# KiCad board karabas-pro-revER.kicad_pcb (continued)
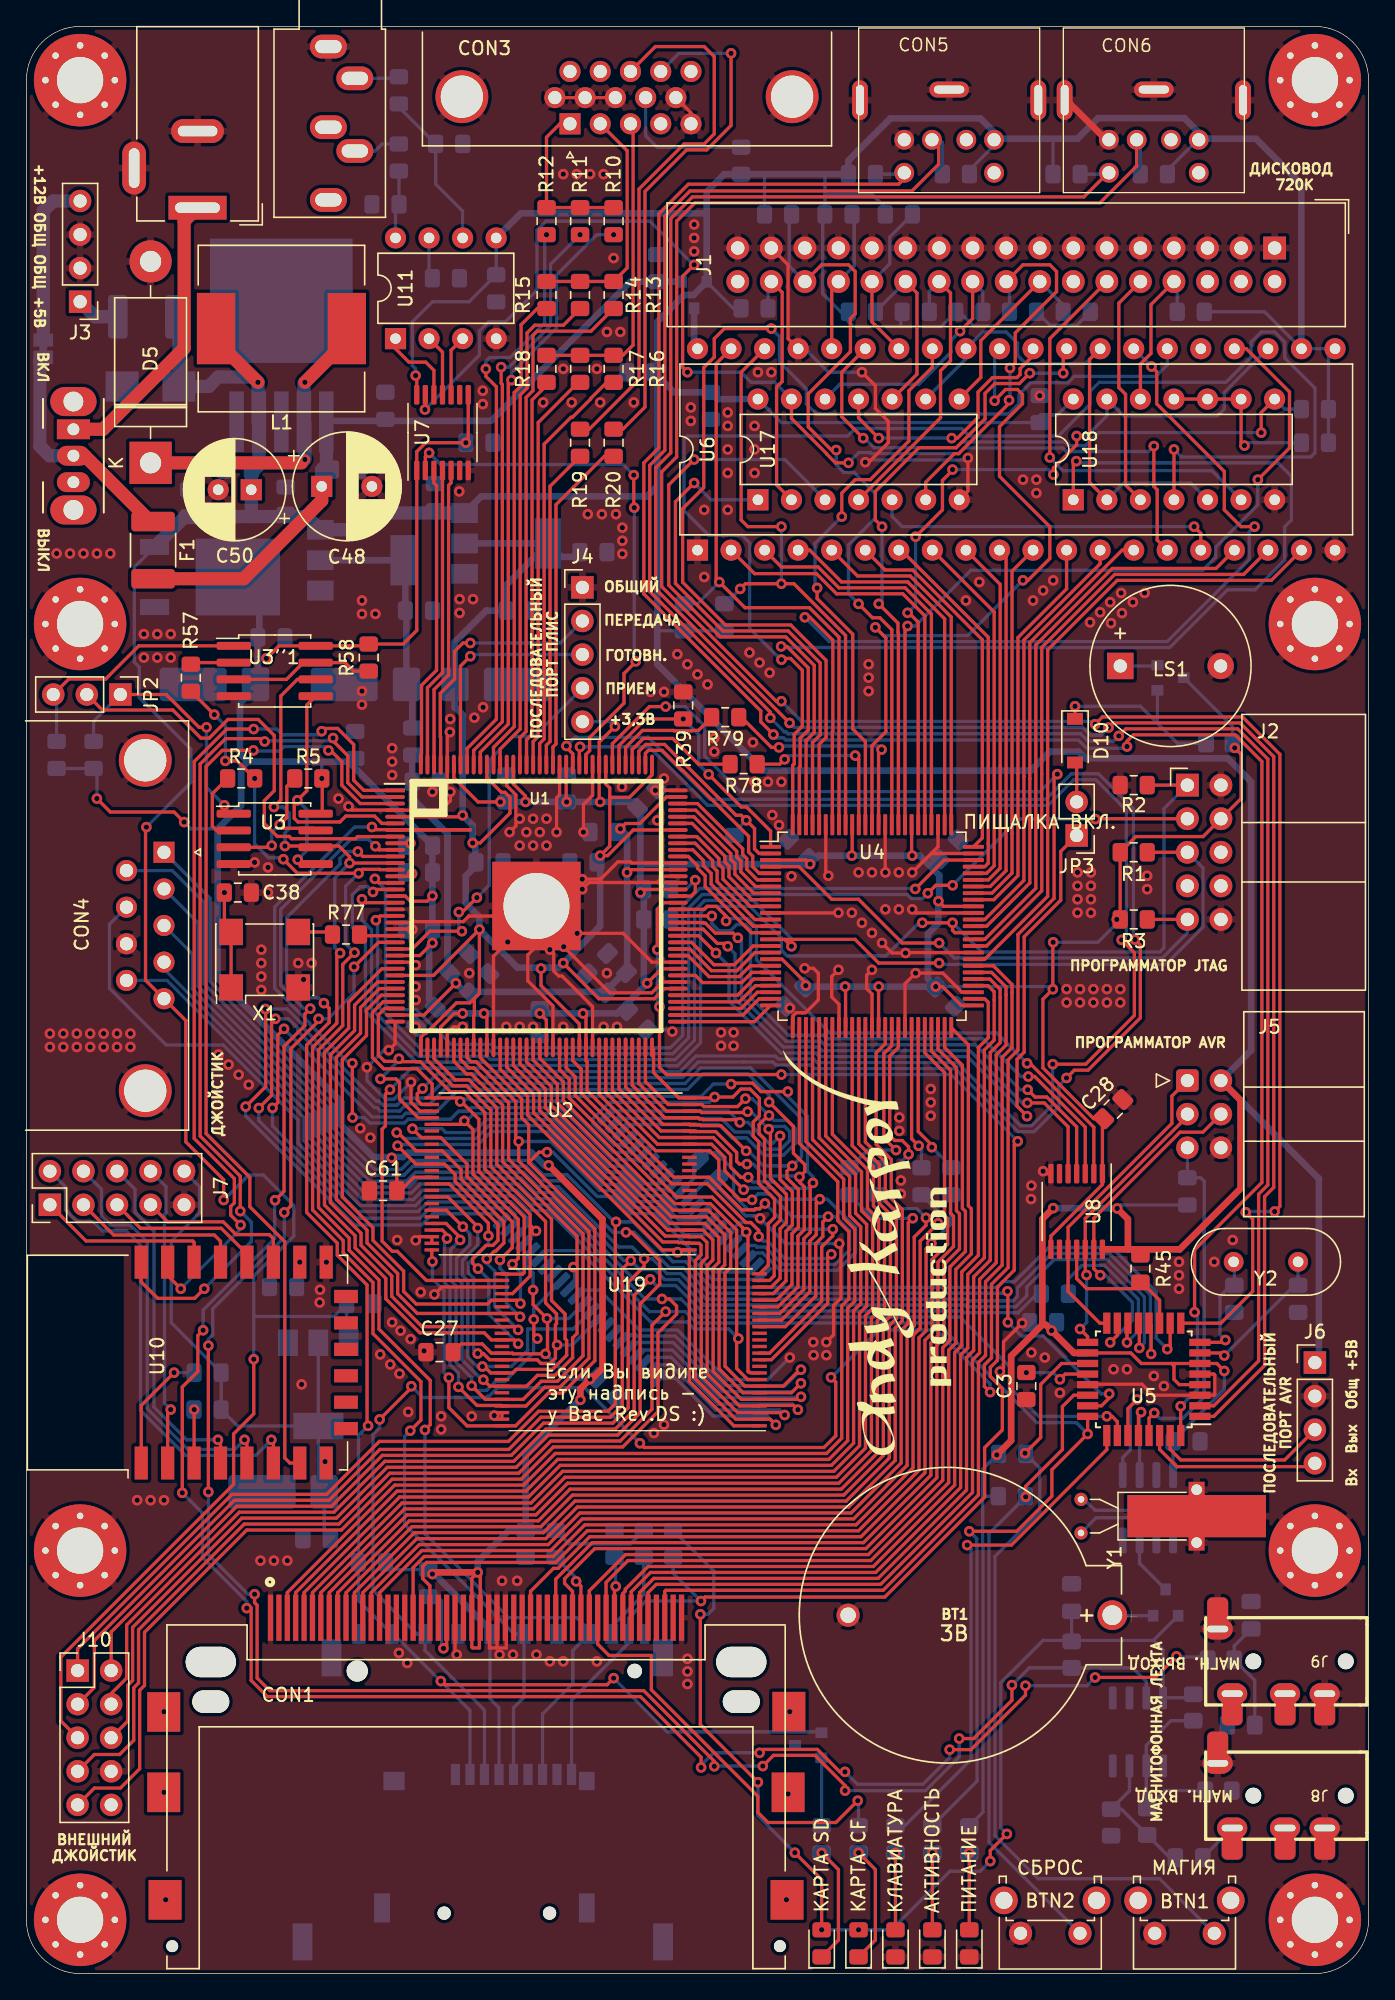
[diagram p0: board, top side]
## Routing (per net, layer and track width the routed paths; a pad name or vN(x,y) marks a point on that pad's centre or on a via; arc(x,y) is an arc through that point) (continued)
VCC: length 647.3
  Top w0.25: U5.18 83.6,46.96 84.4,46.16 86.68,46.16 ; v1(17.21,46.48) 17.21,42.35 15.68,40.83 15.68,37.02 2.6,23.94 2.6,19.11 J10.5 ; v1(14.93,58.53) 14.93,60.06 12.06,62.93 12.06,72.11 CON4.5 9.02,75.15 9.02,86.68 v1(9.08,86.74) ; v1(90.68,45.59) 90.11,46.16 U5.6 86.68,46.16 ; 86.68,46.16 86.87,45.97 86.87,44.96 87.27,44.56 U5.4 ; U7.14 29.55,120.82 v1(29.46,120.9)
  Top w0.5: U5.18 79.3,46.96 v1(77.6,48.65) 77.17,49.09 76.9,49.09 ; U8.14 83.38,54.8 ; 83.38,54.8 83.38,57.08 v1(82.57,57.89) ; 83.38,54.8 87.31,54.8 91.91,59.39 91.91,66.08 J5.2 ; 76.9,49.09 76.9,57.09 v1(77.72,57.91) ; 76.9,49.09 74.54,46.73 74.54,40.33 v1(73.46,39.24)
  Top w1: 14.35,123.57 v1(17.53,120.4)
  Bottom w0.25: R23.2 77.72,138.68 77.86,138.82 ; 72.39,36.22 72.39,38.18 v1(73.46,39.24) ; 72.39,36.22 72.39,32.52 72.41,32.49 72.41,12.22 R56.1 ; 72.39,36.22 72.49,36.12 R47.2 ; 65.01,133.61 64.01,134.62 60.45,134.62 ; 60.28,132.93 60.28,127.1 61.65,125.73 R68.1 62.22,124.98 62.59,124.61 66.19,124.61 ; 55.88,136.14 55.87,136.13 55.87,133.1 ; 47.76,101.59 R43.2 R44.2 ; 17.21,49.72 23.28,49.72 C63.1 24.24,47.89 ; 17.21,49.72 17.21,52.77 20.24,55.8 20.24,58.11 17.93,60.43 16.83,60.43 v1(14.93,58.53) ; 17.21,49.72 v1(17.21,46.48) ; 71.38,136.44 73.76,138.82 ; U18.14 78.05,117.93 76.78,117.93 76.2,117.35 57.15,117.35 U17.14 ; 66.19,124.61 69.23,124.61 R66.1 ; 66.19,124.61 66.19,125.63 ; U9.8 86.8,40.25 ; R64.1 79.5,124.7 77.49,124.7 R65.1 75.39,124.66 71.69,124.66 70.61,125.73 ; R9.2 82.84,58.16 v1(82.57,57.89) ; 60.44,136.14 60.45,136.13 60.45,134.62 ; U11.5 C29.1 33.52,126.49 30.73,126.49 29.21,124.97 29.21,121.67 29.46,121.41 v1(29.46,120.9) ; 60.45,134.62 60.44,134.61 R41.2 ; 86.37,136.44 88.74,138.82 ; C25.1 87.82,41.28 87.82,41.34 90.68,44.2 v1(90.68,45.59) ; R69.1 53.51,125.98 D3.2 ; U12.3 8.16,106.41 8.16,99.22 8.54,98.84 8.54,96.55 12.45,92.65 12.45,90.11 v1(9.08,86.74) ; 77.99,49.03 v1(77.6,48.65) ; R6.1 93.73,125.73 U6.22 U6.21 98.56,122.44 R8.1 R7.1 ; C31.1 76.71,117.86
  Bottom w0.5: 47.75,112.52 46.99,111.76 34.43,111.76 U14.3 ; 47.75,112.52 47.75,124.97 49.78,127 50.5,127 D3.2 51.5,133.16 ; 47.75,112.52 47.75,99.06 55.79,91.02 76.04,91.02 77.47,92.46 79.63,92.46 80.14,91.95 88.65,91.95 88.66,91.94 90.94,91.94 92.71,90.17 92.71,69.85 J5.2 97.84,60.15 97.84,46.53 ; 51.5,133.16 51.47,133.18 37.43,133.18 U11.5 ; 51.5,133.16 51.5,134.81 52.83,136.14 R21.2 62.22,137.18 65.41,140.36 72.22,140.36 73.76,138.82 79.56,138.82 81.13,140.39 87.66,140.39 88.74,139.3 88.74,138.82 93.08,138.82 96.52,135.38 U6.22 ; v1(82.57,57.89) 82.55,57.91 v1(77.72,57.91) ; C14.1 49.02,119.64 C33.1 52.33,119.13 U17.14
  Bottom w1: F2.2 11.55,125.04 D9.1 13.8,120.08 14.52,120.8 17.13,120.8 v1(17.53,120.4) 17.53,117.49 ; 17.02,110.24 C50.1 17.02,113.54 17.6,114.12 U15.4 ; 17.02,110.24 11.99,110.24 U12.3 ; 17.02,110.24 21.25,110.24 U13.3 25.92,109.23 27.19,110.5 U14.3
VCC1_2: length 132.9
  Top w0.25: U1.134 34.86,90.47 35.96,89.37 36.23,89.37 36.6,88.99 36.6,87.8 34.35,85.54 v1(33.78,85.54) ; U1.61 41.86,71.85 38.96,74.75 v1(38.96,76.04) ; U1.45 33.86,72.47 33.91,72.52 33.91,73.79 ; v1(40.64,76.45) 43.34,73.75 47.52,73.75 48.29,74.52 U1.78 ; U1.109 47.36,90.7 45.65,88.99 44.16,88.99 ; U1.37 29.86,70.75 29.88,70.78 29.88,70.87 30.16,71.15 30.25,71.15 32.55,73.44 33.56,73.44 33.91,73.79 ; U1.29 30.82,75.52 v1(34.29,78.99) 34.29,74.17 33.91,73.79 ; 44.16,88.99 44.16,85.31 v1(43.43,84.58) 44,84.58 45.94,86.52 U1.102 ; 44.16,88.99 44.16,89.7 43.86,90 U1.116 ; v1(33.02,87.63) 32.91,87.52 U1.5
  Bottom w0.5: 41.9,107.19 40.49,107.19 U14.2 ; U14.2 U14.2 ; U14.2 36.31,105.05 C20.1 34.81,103.12 32.42,100.74 32.42,95.78 32.45,95.76 32.51,95.76 33.02,95.25 v1(33.02,87.63) 33.78,86.87 v1(33.78,85.54) 33.97,85.35 33.97,83.76 33.25,83.03 33.25,81 34.29,79.96 v1(34.29,78.99) 37.17,76.11 40.3,76.11 43.43,79.25 v1(43.43,84.58)
VCC2_5: length 58.3
  Top w0.25: v1(45.47,83.31) 45.68,83.52 U1.96 ; U1.107 48.44,89.02 46.43,87.01 45.36,87.01 v1(44.96,86.61) ; U1.35 30.1,72.52 v1(32.51,74.93)
  Bottom w0.5: 29.2,92.18 C6.1 29.2,88.91 31.88,86.23 31.88,75.56 v1(32.51,74.93) 33.17,74.28 43.8,74.28 45.47,75.95 45.47,86.11 v1(44.96,86.61)
VCC3_3: length 628.2
  Top w0.25: C28.1 80.79,64.68 76.95,68.52 76.95,73.72 v1(77.7,74.47) 77.7,78 v1(77.72,78.03) ; U1.93 46.72,82.02 v1(46.48,81.79) ; v1(61.04,56.32) 61.04,55.81 60.2,54.98 60.2,50.89 56.26,46.94 U19.12 ; v1(33.02,72.64) 32.39,72.64 31.36,71.62 U1.40 ; U4.91 62.51,84.61 v1(62.48,84.58) ; 28.11,59.03 29.33,60.25 U2.37 ; U4.3 59.02,84.25 v1(59.33,83.94) ; 25.77,100.46 19.11,100.46 v1(18.16,99.5) ; 42.98,45.16 42.79,44.97 v1(42.66,44.97) ; v1(69.04,81.14) 69.43,80.75 U4.66 ; U1.17 28.68,81.52 29.07,81.13 30.33,81.13 v1(30.73,81.53) ; v1(58.17,9.14) 60.2,7.11 v1(60.2,3.31) ; v1(14.99,81.79) 14.99,79.32 ; v1(68.83,74.68) 69.34,74.68 70.77,73.25 U4.51 ; U1.56 39.36,72.15 v1(38.86,72.64) ; v1(35.88,88.65) 34.18,88.65 32.36,90.47 U1.139 ; v1(30.73,77.98) 29.78,77.02 U1.26 ; v1(38.35,51.71) 38.35,50.61 v1(39.4,49.56) 39.45,49.52 39.45,47.04 v1(39.29,46.89) 36.85,46.89 36.8,46.94 U19.37 35.2,46.94 34.5,47.64 32.91,47.64 C27.1 ; v1(11.94,87.12) 11.18,87.88 6.35,87.88 v1(5.33,88.9) ; v1(55.37,14.48) 51.01,18.84 v1(51.01,27.19) ; U1.130 36.86,90.01 37.78,89.09 v1(37.78,88.65) ; 62.01,71.57 62.01,74.64 v1(61.98,74.68) ; v1(55.91,58.27) 55.5,57.87 55.2,57.87 55.11,57.78 54.15,57.78 51.67,60.25 U2.12 49,60.25 42.44,66.81 42.44,68.99 42.36,69.07 U1.62 42.36,72.42 v1(42.13,72.64) ; v1(91.46,92.73) 91.95,92.25 91.95,88.9 J2.4 89.07,86.02 83.98,86.02 R1.2 R3.2 ; 77.55,54.8 77.55,55.8 81.45,59.7 U8.1 81.45,64.59 ; 15.49,79.25 X1.1 ; v1(43.43,88.65) 43.36,88.72 U1.117 43.36,93.17 v1(44.55,94.36) ; v1(64.52,74.68) 64.51,74.67 64.51,71.57 ; v1(40.89,88.65) 40.86,88.68 U1.122 ; v1(74.22,10.56) 72.96,9.31 v1(72.96,8.51) ; v1(27.65,61.72) 28.04,61.33 C61.1 ; U4.82 67.01,84.63 v1(67.06,84.58) ; R58.2 28.52,100.59 29.55,101.62 U7.1 29.55,115.14 30.23,115.82 v1(33.26,115.82) 33.45,116 U7.8 ; U1.81 48.08,76.02 v1(46.99,74.93) ; 22.4,87.76 22.4,90.39 ; 34.29,26.86 34.29,24.64 33.78,24.64 33.72,24.7 CON1.13 33.72,29.91 v1(34.16,30.35) 34.35,30.16 CON1.38 ; U4.18 57.2,76.75 59,74.95 v1(59,74.75) ; U1.47 34.86,72.42 v1(34.63,72.64)
  Top w0.5: v1(30.73,30.23) 30.86,30.35 v1(34.16,30.35) ; v1(41.94,43.41) 41.94,44.25 42.85,45.16 42.98,45.16 43.61,45.79 43.61,57.08 v1(39.54,61.15)
  Bottom w0.25: R75.1 27.74,30.56 R36.2 ; v1(51.01,27.19) 51.58,27.19 52.03,27.64 52.03,30.46 R52.2 R37.1 45.71,32.51 41.08,32.51 40.07,33.53 ; v1(58.17,9.14) 55.37,11.94 v1(55.37,14.48) ; J4.5 44.2,94.72 v1(44.55,94.36) ; v1(5.33,88.9) 5.33,90.92 ; v1(18.16,99.5) 17.59,99.5 17.52,99.58 ; v1(38.35,51.71) 38.35,53.02 37.81,53.56 37.81,54.23 ; U20.11 50.52,60.16 50.52,61.01 51.62,62.1 52.22,62.1 53.54,60.78 53.54,58.88 54.64,57.78 55.11,57.78 55.2,57.87 55.5,57.87 v1(55.91,58.27) 57.86,56.32 v1(61.04,56.32) ; v1(11.94,87.12) 12.45,86.61 14.48,86.61 ; v1(39.4,49.56) 41.06,49.56 U20.33 ; 35.77,14.73 35.77,20.11 35.09,20.79 35.09,25.61 ; v1(42.66,44.97) 41.21,44.97 v1(39.29,46.89) ; v1(72.96,8.51) 72.2,7.75 69.91,7.75 65.48,3.31 v1(62.99,3.31) v1(60.2,3.31) ; 85.33,25.21 D8.1 ; 85.33,25.21 76.96,25.21 73.76,22.01 73.76,11.02 v1(74.22,10.56) ; 85.33,25.21 86.04,24.49 U16.8 88.06,20.86 ; R84.1 C58.1 ; R74.1 C18.1 ; v1(77.72,78.03) 81.1,78.03 82.54,79.46 v1(82.54,79.76) ; v1(22.36,90.42) 22.36,91.69 ; Q2.3 91.3,94.36 R48.2 ; R60.2 R59.2 ; v1(68.83,74.68) 77.5,74.68 v1(77.7,74.47) ; v1(14.99,81.79) 14.48,81.79
  Bottom w0.5: v1(35.88,88.65) v1(37.78,88.65) v1(40.89,88.65) 45.97,88.65 46.48,88.14 46.48,84.07 ; v1(41.94,43.41) 41.88,43.41 37.78,39.31 C18.1 36.53,33.54 34.16,31.17 v1(34.16,30.35) ; 17.52,97.46 C37.1 ; 46.48,84.07 46.62,83.94 v1(59.33,83.94) 59.97,84.58 v1(62.48,84.58) v1(67.06,84.58) 67.62,84.58 68.48,83.72 ; 46.48,84.07 v1(46.48,81.79) 46.74,81.53 46.74,74.93 v1(46.99,74.93) 44.7,72.64 v1(38.86,72.64) 31.55,72.64 30.48,73.71 30.48,77.72 v1(30.73,77.98) v1(30.73,81.53) 30.73,85.34 24.64,91.44 24.64,91.69 16.76,91.69 ; C39.1 68.48,83.72 ; 68.48,83.72 69.11,83.1 69.11,81.21 v1(69.04,81.14) 69.04,79.46 68.24,78.66 68.24,75.27 v1(68.83,74.68) v1(64.52,74.68) v1(61.98,74.68) 59.07,74.68 ; 17.34,97.28 16.17,96.11 16.17,92.29 16.76,91.69 ; 16.76,91.69 16.26,91.19 16.26,88.39 14.48,86.61 14.48,75.3 23.84,65.94 23.84,64.18 26.24,61.78 28.51,61.78 28.83,62.11 38.25,62.11 39.2,61.15 v1(39.54,61.15) ; 17.63,104.65 17.63,101.2 ; 35.17,25.94 30.88,30.23 v1(30.73,30.23)
/ASDO: length 23.6
  Top w0.25: 20.87,83.95 v1(20.54,84.28) ; 21.9,96.65 21.23,95.98 21.23,89.49 v1(20.51,88.77) 20.27,88.53 20.27,87.41 20.55,87.13 23.73,87.13 24.18,87.58 26.35,87.58 26.91,87.02 U1.6
  Bottom w0.25: v1(20.51,88.77) 21.23,88.06 21.23,84.97 v1(20.54,84.28)
/AVR_MISO: length 23.6
  Top w0.25: J5.1 86.71,66.39 86.71,64.32 78.85,56.46 U8.10 78.85,51.61 81.26,49.21 U5.16
/AVR_MOSI: length 26.1
  Top w0.25: J5.4 89.06,63.66 87.32,63.66 80.8,57.14 U8.13 80.8,53.33 v1(81.29,52.84) ; U5.15 82.58,48.29 v1(82.04,47.75)
  Bottom w0.25: v1(81.29,52.84) 81.68,52.84 83.72,50.8 83.72,49.43 v1(82.04,47.75)
/AVR_RX: length 13.1
  Top w0.25: 97.28,38.35 87.09,38.35 85.78,39.66 U5.30
/AVR_SCK: length 20.8
  Top w0.25: v1(80.25,52.86) 80.15,52.95 U8.12 80.15,57.13 87.88,64.86 ; v1(79.76,48.77) 80.33,48.19 U5.17
  Bottom w0.25: v1(79.76,48.77) 80.26,49.28 80.26,52.84 v1(80.25,52.86)
/AVR_TX: length 13.3
  Top w0.25: J6.3 95.25,38.86 87.38,38.86 86.58,39.66 U5.31
/AVR_XT1: length 11.8
  Top w0.25: U5.7 90.48,46.96 v1(90.68,46.76)
  Bottom w0.25: 96.27,52.33 96.27,54.36 ; v1(90.68,46.76) 96.25,52.33
/AVR_XT2: length 9
  Top w0.25: U5.8 90.59,47.76 v1(90.76,47.93)
  Bottom w0.25: 91.44,54.3 91.44,52.33 90.36,51.25 90.36,48.33 v1(90.76,47.93)
/B: length 23.3
  Top w0.25: 46.17,139.51 45.92,139.27 45.92,123.21 45.15,122.44 R16.2 R17.2 R18.2
/BEEPER: length 57.1
  Top w0.25: U1.86 50.89,78.52 v1(52.2,77.22) ; JP3.1 78.3,84.9 78.3,81.22 75.53,78.45 75.53,69.71 74.99,69.17 74.99,65.63 v1(75.74,64.87)
  Bottom w0.25: v1(75.74,64.87) 71.24,69.37 60.05,69.37 59.77,69.65 57.11,69.65 53.19,73.57 53.19,76.23 v1(52.2,77.22)
/BTN1: length 60.4
  Top w0.25: U5.19 78.36,46.16 76.78,44.58 76.78,40.56 v1(75.59,39.37)
  Bottom w0.25: v1(75.59,39.37) 76.71,38.25 76.71,34.95 73.31,31.55 73.31,10.44 76.58,7.18 85.79,7.18 BTN1.1
/BTN2: length 46.7
  Top w0.25: v1(75.64,36.07) 75.64,36.86 78.42,39.64 78.42,42.9 79.28,43.76 U5.22
  Bottom w0.25: BTN2.1 72.86,9.94 72.86,33.29 75.24,35.67
/CLK_50MHZ: length 2.6
  Top w0.25: 25.31,78.52 U1.23
/CONF_DONE: length 4.2
  Top w0.25: U1.92 50.31,81.52 50.63,81.84 v1(50.63,82.73)
  Bottom w0.25: 49.03,82.04 49.94,82.04 v1(50.63,82.73)
/CPLD_CLK: length 8.8
  Top w0.25: U1.113 45.36,92.78 46.63,94.06 49,94.06 49.03,94.02 50.41,94.02 50.44,94.06 50.87,94.06 R79.2
/CPLD_CLK2: length 9.7
  Top w0.25: U1.112 45.86,92.61 46.7,93.45 48.93,93.45 50.87,91.5 R78.2
/D0: length 27.7
  Top w0.25: U4.72 72.55,83.75 72.81,84.01 72.81,85.49 72.81,85.49 72.81,101.11 66.22,107.7
/D1: length 27.6
  Top w0.25: U4.71 72.69,83.25 73.26,83.82 73.26,103.02 U6.8
/D2: length 27.5
  Top w0.25: U4.70 72.82,82.75 73.71,83.63 73.71,86.61 73.71,86.61 73.71,91.34 73.71,91.34 73.71,105.11 U6.9
/D3: length 27.4
  Top w0.25: U4.69 72.96,82.25 74.16,83.45 74.16,86.42 74.16,86.42 74.16,91.15 74.16,91.16 74.16,107.2 U6.10
/D4: length 28.6
  Top w0.25: U4.68 73.09,81.75 74.61,83.26 74.61,86.23 74.61,90.97 74.61,90.97 74.61,106.11 U6.11
/D5: length 30.3
  Top w0.25: U6.12 78.74,104.76 75.06,101.08 75.06,90.78 75.06,90.78 75.06,83.08 73.23,81.25 U4.67
/D6: length 32.4
  Top w0.25: U6.13 81.28,106.67 75.51,100.9 75.51,90.6 75.51,90.6 75.51,82.71 72.55,79.75 U4.64
/D7: length 34.6
  Top w0.25: U6.14 82.95,107.7 75.96,100.71 75.96,90.41 75.96,82.52 72.69,79.25 U4.63
/DATA0: length 109.2
  Top w0.25: U1.13 26.75,83.52 26.72,83.55 25.45,83.55 v1(25.15,83.25) 20.52,83.25 v1(19.45,84.31) ; 12.45,97.02 v1(14.22,95.25) ; v1(30.17,41.13) 30.57,41.53 30.57,44.88 26.69,48.76 26.69,52.47 24.43,54.73 24.43,55.64 22.11,57.96 22.11,69.89 23.94,71.72 23.94,76.36 v1(24.83,77.25) ; v1(17.28,90.42) 15.95,91.75 v1(15.05,91.75)
  Bottom w0.25: v1(19.45,84.31) 19.35,84.42 18.33,84.42 17.28,85.46 v1(17.28,90.42) ; v1(25.15,83.25) 24.16,82.26 24.16,77.92 v1(24.83,77.25) ; v1(30.17,41.13) 30.17,33.26 36.51,26.92 41.66,26.92 42.67,25.91 ; CON2.7 41.36,24.46 41.36,21.93 39.07,19.64 39.07,14.73 ; v1(15.05,91.75) 15.05,94.42 v1(14.22,95.25)
/DCLK: length 104.6
  Top w0.25: v1(23.75,77.21) 23.5,76.96 23.5,71.91 21.66,70.07 21.66,57.77 23.98,55.45 23.98,54.54 26.24,52.29 26.24,48.42 29.86,44.79 29.86,41.88 v1(29.06,41.07) ; U1.12 v1(24.46,84.02) 24.46,84.5 23.65,85.31 19.58,85.31 v1(19.57,85.3) ; 22.4,97.92 20.51,97.92 19.26,96.67 19.26,88.79 v1(18.73,88.27)
  Bottom w0.25: v1(18.73,88.27) 19.43,88.27 19.9,87.79 19.9,86.63 19.57,86.3 v1(19.57,85.3) ; 36.87,14.73 36.87,20.11 37.67,20.91 CON2.5 36.92,25.69 28.63,33.98 28.63,40.64 v1(29.06,41.07) ; v1(23.75,77.21) 23.35,77.61 23.35,82.9 v1(24.46,84.02)
/ESP_ADC: length 22.9
  Top w0.25: U10.2 10.69,42.44 v1(10.92,42.67)
  Bottom w0.25: v1(10.92,42.67) 10.45,43.14 10.45,57.44 10.57,57.56 10.57,59.53 J7.8
/ESP_GPIO0: length 11.4
  Top w0.25: 16.69,54.45 14.75,56.39 8.64,56.39 J7.5
/ESP_GPIO2: length 12.1
  Top w0.25: J7.7 10.69,56.88 14.9,56.88 15.86,55.91 18.38,55.91 18.69,55.6 U10.17
/ESP_GPIO4: length 13.1
  Top w0.25: U10.19 14.69,55.41 14.22,55.88 6.6,55.88 J7.3
/ESP_GPIO5: length 13.6
  Top w0.25: J7.1 4.51,55.43 12.59,55.43 12.69,55.33 U10.20
/ESP_GPIO12: length 36.3
  Top w0.25: v1(18.54,40.39) 18.69,40.24 U10.6
  Bottom w0.25: J7.2 2.95,59.53 2.95,57.79 3.85,56.9 5.08,56.9 5.78,56.19 7.56,56.19 8.64,55.12 8.64,42.61 12.04,39.21 17.37,39.21 v1(18.54,40.39)
/ESP_GPIO14: length 31.6
  Top w0.25: U10.5 16.69,40.2 v1(16.51,40.39)
  Bottom w0.25: v1(16.51,40.39) 15.78,39.66 12.22,39.66 9.14,42.74 9.14,55.37 7.87,56.64 6.35,56.64 5.68,57.31 5.68,59.34 J7.4
/ESP_GPIO16: length 26.7
  Top w0.25: U10.4 14.69,40.19 v1(14.5,40.39)
  Bottom w0.25: J7.6 8.22,59.34 8.22,57.6 9.65,56.17 9.65,42.87 12.13,40.39 v1(14.5,40.39)
/FDC_A0: length 26.9
  Top w0.25: U6.5 62.91,105.74 66.9,105.74 70.01,102.63 U4.76
/FDC_A1: length 27.6
  Top w0.25: U6.6 65,106.19 67.08,106.19 72.36,100.92 72.36,85.92 U4.75
/FDC_CLK: length 60.9
  Top w0.25: v1(66.7,101.96) 66.51,101.76 U4.83 ; v1(93.22,113.03) 95.61,115.43 95.61,119.67 92.34,122.94 U6.24
  Bottom w0.25: v1(66.7,101.96) 67.27,101.96 71.48,106.17 89.04,106.17 90.03,107.16 90.03,107.92 93.22,111.11 v1(93.22,113.03)
/FDC_DIR: length 26.4
  Top w0.25: v1(88.39,109.47) 88.9,108.97 U6.16
  Bottom w0.25: v1(88.39,109.47) 66.29,109.47 65.53,110.24 U17.5
/FDC_DRQ: length 46.9
  Top w0.25: U4.92 62.01,101.25 58.1,105.16 v1(57.15,105.16) 54.42,105.16 v1(54.03,104.76) ; v1(57.15,109.47) 54.61,109.47 54.1,109.98 54.1,121.16 U6.38
  Bottom w0.25: v1(57.15,109.47) v1(57.15,105.16) ; 52.91,103.64 v1(54.03,104.76)
/FDC_DS0: length 82.1
  Top w0.25: U18.1 79.25,114.2 v1(79.48,114.43) ; U4.99 58.51,91.27 58.57,91.34 58.57,93.47 59.18,94.08 59.18,98.79 57.57,100.41 v1(57.13,100.41)
  Bottom w0.25: v1(57.13,100.41) 57.21,100.33 86.55,100.33 90.92,104.7 93.02,104.7 95.25,106.93 95.25,109.47 95.76,109.98 95.76,113.28 94.74,114.3 79.61,114.3 v1(79.48,114.43)
/FDC_DS1: length 110.2
  Top w0.25: U4.100 58.01,91.41 58.12,91.52 58.12,93.76 58.73,94.37 58.73,98.61 57.84,99.5 57.25,99.5 v1(57.16,99.41) ; v1(86.87,115.32) U18.4
  Bottom w0.25: v1(86.87,115.32) 87.43,114.75 97.22,114.75 97.54,115.06 97.54,119.97 95.25,122.25 95.25,123.44 94.49,124.21 93.47,124.21 92.71,123.44 92.71,122.3 90.8,120.4 81.21,120.4 80.52,119.7 80.52,118.73 78.12,116.33 71.37,116.33 70.81,116.9 62.74,116.9 62.17,116.33 50.04,116.33 49.78,116.08 49.78,110.69 51.65,108.82 54.17,108.82 54.75,108.24 54.75,101.76 56.83,99.69 56.88,99.69 v1(57.16,99.41)
/FDC_HLT: length 59.9
  Top w0.25: v1(67.31,108.71) 69.34,110.74 69.34,112.97 70.1,113.74 v1(70.1,113.79) ; U4.81 67.51,102.24 66.8,102.96 v1(66.7,102.96) ; v1(79.5,116.33) 79.5,115.67 77.74,113.91 v1(77.74,113.41)
  Bottom w0.25: U6.23 90.68,119.63 90.68,118.36 90.17,117.86 83.06,117.86 U18.13 81.79,117.86 80.26,116.33 v1(79.5,116.33) ; v1(67.31,108.71) 67.31,103.56 v1(66.7,102.96) ; v1(70.1,113.79) 77.36,113.79 v1(77.74,113.41)
/FDC_INTRQ: length 46.5
  Top w0.25: U6.39 52.21,121.81 52.21,105.52 v1(52.45,105.28) 54.39,103.34 59.28,103.34 61.51,101.11 U4.93
  Bottom w0.25: R43.1 50.81,103.64 v1(52.45,105.28)
/FDC_IP: length 44.6
  Top w0.25: U6.35 61.72,121.16 61.72,117.79 v1(63.34,116.17) ; U18.8 93.47,118.11 v1(93.47,116.59)
  Bottom w0.25: v1(63.34,116.17) 63.44,116.17 64.17,115.45 70.39,115.45 70.82,115.88 78.63,115.88 78.9,115.61 80.18,115.61 81.15,116.59 v1(93.47,116.59) ; R8.2 95.25,118.36 U18.8
/FDC_RCLK: length 87.6
  Top w0.25: v1(56.39,124.46) 52.83,124.46 52.07,123.7 52.07,122.3 51.27,121.5 51.27,112.43 49.67,110.83 49.67,105.27 52.91,102.03 57.85,102.03 60.54,99.35 60.54,93.53 60.01,93 U4.96
  Bottom w0.25: v1(56.39,124.46) 57.01,123.84 57.01,121.94 59.04,119.9 59.04,118.76 59.8,118 74.37,118 75.15,118.78 75.15,119.47 76.03,120.36 78.83,120.36 79.32,120.85 85.49,120.85 86.36,121.71 U6.26
/FDC_RDY: length 38.7
  Top w0.25: U6.28 80.48,122.14 80.48,112.81 U18.2
  Bottom w0.25: U17.9 71.12,122.17 U6.32 72.39,124.21 74.17,124.21 75.03,123.34 75.03,122.44 75.66,121.81 80.15,121.81 U6.28 ; U18.2 83.06,112.78 88.14,112.78 U18.5
/FDC_SIDE: length 19.3
  Top w0.25: J1.32 57.21,127.2 57.21,120.45 56.79,120.03 56.79,112.63 U17.2
  Bottom w0.25: R69.2 56.14,127.77
/FDC_SL: length 42.7
  Top w0.25: U4.61 72.55,78.25 76.41,82.11 76.41,100.52 82.2,106.31 90.05,106.31 U6.17
/FDC_SR: length 45.5
  Top w0.25: U6.18 92.14,105.86 82.38,105.86 76.86,100.34 76.86,90.78 76.86,81.92 72.69,77.75 U4.60
/FDC_STEP: length 89.3
  Top w0.25: U7.13 30.2,118.36 v1(30.17,118.33) ; v1(85.34,115.57) 85.34,112.52 85.6,112.27 85.6,108.46 U6.15 ; v1(50.55,129.29) 49.67,128.41 49.67,121.52 v1(50.04,121.16) ; v1(62.23,114.3) 61.25,114.3 60.58,114.97 60.58,115 57.91,117.66 U17.13
  Bottom w0.25: v1(85.34,115.57) 84.93,115.16 78.71,115.16 78.44,115.43 71.01,115.43 70.57,115 63.98,115 63.9,115.08 63.01,115.08 v1(62.23,114.3) ; U17.13 56.64,120.4 54.86,120.4 54.1,121.16 v1(50.04,121.16) ; v1(30.17,118.33) 34.29,122.45 34.29,124.28 34.98,124.97 36.25,124.97 38.64,127.37 38.64,131.91 39.32,132.59 47.19,132.59 50.49,129.29 v1(50.55,129.29)
/FDC_TR43: length 46.8
  Top w0.25: v1(75.95,121.09) 75.17,120.3 73.31,120.3 72.57,119.56 72.57,117.63 70.39,115.45 67.57,115.45 64.26,112.14 64.26,109.98 v1(64.77,109.47) ; U4.84 66.01,101.44 65.98,101.48 65.98,102.17 v1(64.52,103.63) ; v1(78.49,121.09) 78.49,122.68
  Bottom w0.25: v1(64.52,103.63) 64.77,103.89 v1(64.77,109.47) ; v1(78.49,121.09) v1(75.95,121.09)
/FDC_WD: length 52.5
  Top w0.25: v1(73.29,119) 73.29,119.02 74.12,119.85 75.02,119.85 75.4,119.47 75.4,118.78 73.66,117.04 73.66,113.28 77.47,109.47 77.47,107.06 75.82,105.41 v1(75.43,105.41) ; U4.88 64.01,92.9 65.06,93.95 65.06,101.06 v1(64.26,101.85)
  Bottom w0.25: v1(73.29,119) 73.29,122.57 ; v1(64.26,101.85) 64.89,101.23 71.25,101.23 v1(75.43,105.41)
/FDC_WDATA: length 47.3
  Top w0.25: v1(50.55,114.55) 48.62,112.63 48.62,105.04 52.53,101.13 57.48,101.13 59.64,98.98 59.64,93.9 59.02,93.28 59.02,86.93
  Bottom w0.25: v1(50.55,114.55) 57.4,114.55 U17.3
/FDC_WF_DE: length 41.9
  Top w0.25: v1(61.72,110.24) 61.72,112.01 62.74,113.03 63.88,113.03 66.8,115.95 66.8,119.76 68.58,121.54 U6.33 ; v1(59.86,104.84) 59.86,104.03 62.55,101.34 62.55,94.17 63.51,93.21 U4.89
  Bottom w0.25: v1(61.72,110.24) 59.69,108.2 59.69,105 v1(59.86,104.84)
/FDC_WGATE: length 19.2
  Top w0.25: 76.2,122.41 75.22,121.43 75.22,120.99 74.98,120.75 73.13,120.75 72.03,119.66 72.03,117.73 70.48,116.17 v1(70.04,116.17) ; U17.11 62.99,117.7 v1(64.52,116.17)
  Bottom w0.25: v1(70.04,116.17) v1(64.52,116.17)
/G: length 18.3
  Top w0.25: R15.2 R14.2 R13.2 45.47,129.05 45.47,137.92 CON3.2
/HS: length 41.1
  Top w0.25: CON3.13 47.61,145.8 51.31,145.8 52.07,145.03 52.07,139.19 51.31,138.43 49.78,138.43 46.37,135.02 46.37,120.61 42.61,116.85 R19.1
/I2C_SCL: length 6.7
  Top w0.25: v1(84.37,42.48) 84.18,42.29 U5.28
  Bottom w0.25: v1(84.37,42.48) 84.26,42.37 U9.6
/I2C_SDA: length 9.2
  Top w0.25: U5.27 83.38,42.74 v1(84.07,43.43)
  Bottom w0.25: v1(84.07,43.43) 83.57,42.93 83.57,39.62 82.99,39.05 U9.5
/JOY_DOWN: length 162.9
  Top w0.25: U5.12 85.14,49.05 v1(85.14,46.88) ; v1(46.76,54.08) 46.76,53.51 45.55,52.3 45.55,42.81 44.39,41.64 39.14,41.64 36.71,39.21 26.94,39.21 23.1,35.36 15.93,35.36 6.41,25.84 J10.2
  Bottom w0.25: CON4.2 13,79.48 13,74.69 22.36,65.33 22.36,63.57 25.98,59.95 28.77,59.95 29.44,60.63 34.27,60.63 34.27,60.63 37.64,60.63 38.74,59.53 40.27,59.53 44.83,54.97 45.87,54.97 v1(46.76,54.08) 47.38,54.08 48.5,52.96 49.54,52.96 51.47,51.03 71.23,51.03 71.36,50.9 74.7,50.9 75,51.2 75,51.87 77.61,54.48 81.98,54.48 85.07,51.39 85.07,46.95 v1(85.14,46.88)
/JOY_FIRE1: length 169.4
  Top w0.25: U5.23 81.38,42.96 81.97,43.54 v1(81.97,43.87) ; v1(74.26,51.62) 74.3,51.59 v1(74.3,49.27) ; J10.6 7.67,19.1 7.67,21.81 8.04,22.17 8.04,26.19 16.3,34.46 23.47,34.46 27.32,38.31 37.08,38.31 39.52,40.74 44.76,40.74 46.45,42.43 46.45,50.66 47.94,52.15 47.94,53.94 45.8,56.08 v1(45.39,56.08)
  Bottom w0.25: v1(74.3,49.27) 75.33,48.24 76.97,48.24 81.35,43.87 v1(81.97,43.87) ; v1(74.26,51.62) 74.12,51.48 51.66,51.48 49.72,53.41 48.68,53.41 46.01,56.08 v1(45.39,56.08) 44.4,56.08 40.5,59.98 38.92,59.98 37.82,61.08 34.46,61.08 34.46,61.08 29.26,61.08 28.58,60.4 26.17,60.4 22.81,63.76 22.81,65.52 13.45,74.88 13.45,81.04 11.04,83.45 CON4.6
/JOY_FIRE2: length 164.4
  Top w0.25: U5.26 82.58,41.76 82.18,42.16 v1(81.79,42.16) ; v1(48.11,51.04) 48.68,51.04 49.22,50.5 49.22,49.89 47.81,48.48 47.81,42.52 45.14,39.84 39.89,39.84 37.45,37.41 27.69,37.41 23.84,33.56 16.67,33.56 8.94,25.82 8.94,21.8 8.57,21.43 8.57,15.49 7.11,14.03 5.14,14.03 J10.9
  Bottom w0.25: v1(81.79,42.16) 76.63,42.16 74.6,44.2 74.6,45.75 70.67,49.68 50.91,49.68 49.54,51.04 v1(48.11,51.04) 46.82,51.04 39.69,58.18 38.18,58.18 37.08,59.28 30,59.28 29.28,58.56 25.47,58.56 21.01,63.01 21.01,64.77 10.64,75.14 CON4.9
/JOY_LEFT: length 162.1
  Top w0.25: v1(45.75,53.95) 45.1,53.31 45.1,42.99 44.2,42.09 38.96,42.09 36.52,39.66 26.76,39.66 22.91,35.81 15.74,35.81 5.14,25.21 5.14,21.65 J10.3 ; v1(84.25,47.34) 84.25,49.14
  Bottom w0.25: CON4.3 12.55,77.16 12.55,74.5 21.91,65.14 21.91,63.39 25.8,59.5 28.95,59.5 29.63,60.18 37.45,60.18 38.55,59.08 40.08,59.08 45.21,53.95 v1(45.75,53.95) 46.44,53.25 47.57,53.25 48.31,52.51 49.35,52.51 51.28,50.58 71.04,50.58 71.17,50.45 74.88,50.45 75.72,51.29 75.72,51.95 77.8,54.03 81.79,54.03 84.62,51.2 84.62,47.71 v1(84.25,47.34)
/JOY_R2: length 141.1
  Top w0.25: J10.4 6.41,21.18 7.59,22.36 7.59,26.38 16.12,34.91 23.28,34.91 27.13,38.76 36.89,38.76 39.33,41.19 44.58,41.19 46,42.62 46,51.31 v1(47.22,52.53)
  Bottom w0.25: 76.51,51.44 75.07,50 70.98,50 70.86,50.13 51.1,50.13 49.17,52.06 47.69,52.06 v1(47.22,52.53) 46,52.53 39.9,58.63 38.37,58.63 37.26,59.73 35.39,59.73 35.39,59.73 29.82,59.73 29.14,59.05 25.61,59.05 21.46,63.2 21.46,64.96 10.41,76.01
/JOY_RIGHT: length 12.9
  Top w0.25: v1(83.31,47.75) 83.31,49.14
  Bottom w0.25: R63.1 78.88,52.55 79.9,53.58 81.6,53.58 84.17,51.02 84.17,48.61 v1(83.31,47.75)
/JOY_UP: length 167.2
  Top w0.25: v1(44.63,56.87) 44.58,56.82 44.58,43.1 44.02,42.54 38.77,42.54 36.49,40.26 26.72,40.26 22.71,36.26 15.56,36.26 3.87,24.57 J10.1 ; U5.10 86.58,47.47 v1(86.36,47.24)
  Bottom w0.25: CON4.1 13.9,81.35 13.9,75.06 23.26,65.7 23.26,63.95 26.36,60.85 28.39,60.85 29.07,61.53 34.64,61.53 34.64,61.53 38.01,61.53 39.11,60.43 40.93,60.43 44.49,56.87 v1(44.63,56.87) 45.93,56.87 48.94,53.86 49.91,53.86 51.84,51.93 73.54,51.93 73.54,51.97 73.92,52.35 74.8,52.35 77.38,54.93 82.16,54.93 85.52,51.57 85.52,48.08 v1(86.36,47.24)
/L1: length 5.8
  Top w0.25: D1.2 v1(65.79,9.13)
/L2: length 5.8
  Top w0.25: D2.2 v1(68.58,9.13)
/L3: length 5.8
  Top w0.25: D7.2 v1(71.37,9.13)
/L4: length 8.9
  Top w0.25: D4.1 61.47,2.53 61.47,7.87 v1(60.2,9.13)
/L5: length 8.9
  Top w0.25: D6.1 64.26,2.53 64.26,7.87 v1(62.99,9.14)
/LAVR_MISO: length 41.3
  Top w0.25: U8.5 78.85,64.07 77.05,65.87 v1(75.77,65.87) ; U1.87 51.22,79.02 52.3,77.94 52.87,77.94 v1(53.09,77.72)
  Bottom w0.25: v1(75.77,65.87) 75.38,65.87 71.43,69.82 60.23,69.82 59.96,70.1 57.3,70.1 53.64,73.75 53.64,77.17 v1(53.09,77.72)
/LAVR_MOSI: length 43.8
  Top w0.25: v1(75.75,68.87) 75.97,68.87 80.8,64.03 U8.2 ; v1(52.96,79.64) 52.96,80.01 52.23,80.74 51.53,80.74 51.31,80.52 U1.90
  Bottom w0.25: v1(75.75,68.87) 73.44,71.17 60.79,71.17 55.26,76.7 55.26,79.18 54.62,79.82 53.14,79.82 v1(52.96,79.64)
/LAVR_SCK: length 44.7
  Top w0.25: v1(51.88,80.02) 51.88,80.02 U1.89 ; U8.3 80.15,64.05 76.33,67.87 v1(75.84,67.87)
  Bottom w0.25: v1(75.84,67.87) 75.28,67.87 72.42,70.72 60.61,70.72 60.33,71 57.67,71 54.81,73.85 54.81,78.99 54.43,79.37 53.77,79.37 53.31,78.91 52.42,78.91 51.88,79.45 v1(51.88,80.02)